# Altium PCB Main_PCB.PcbDoc (part 9 of 13)
Units mil, origin at the board's own origin, x right, y up, seen from the top; angles counter-clockwise.
Board outline 5200 x 6000 mil, 12 copper layers (Top (L1), Int1 (l2), Int2 (L3), Int3 (L4), Int4 (L5), Int5 (L6), Int6 (L7), Int7 (L8), Int8 (L9), Int9 (L10), Int10 (L11), Bot (L12)), stack 94.81 mil thick; 88 components, 424 nets, 1789 pads, 1684 vias.
Unrouted connection lines stored in the file: 914.
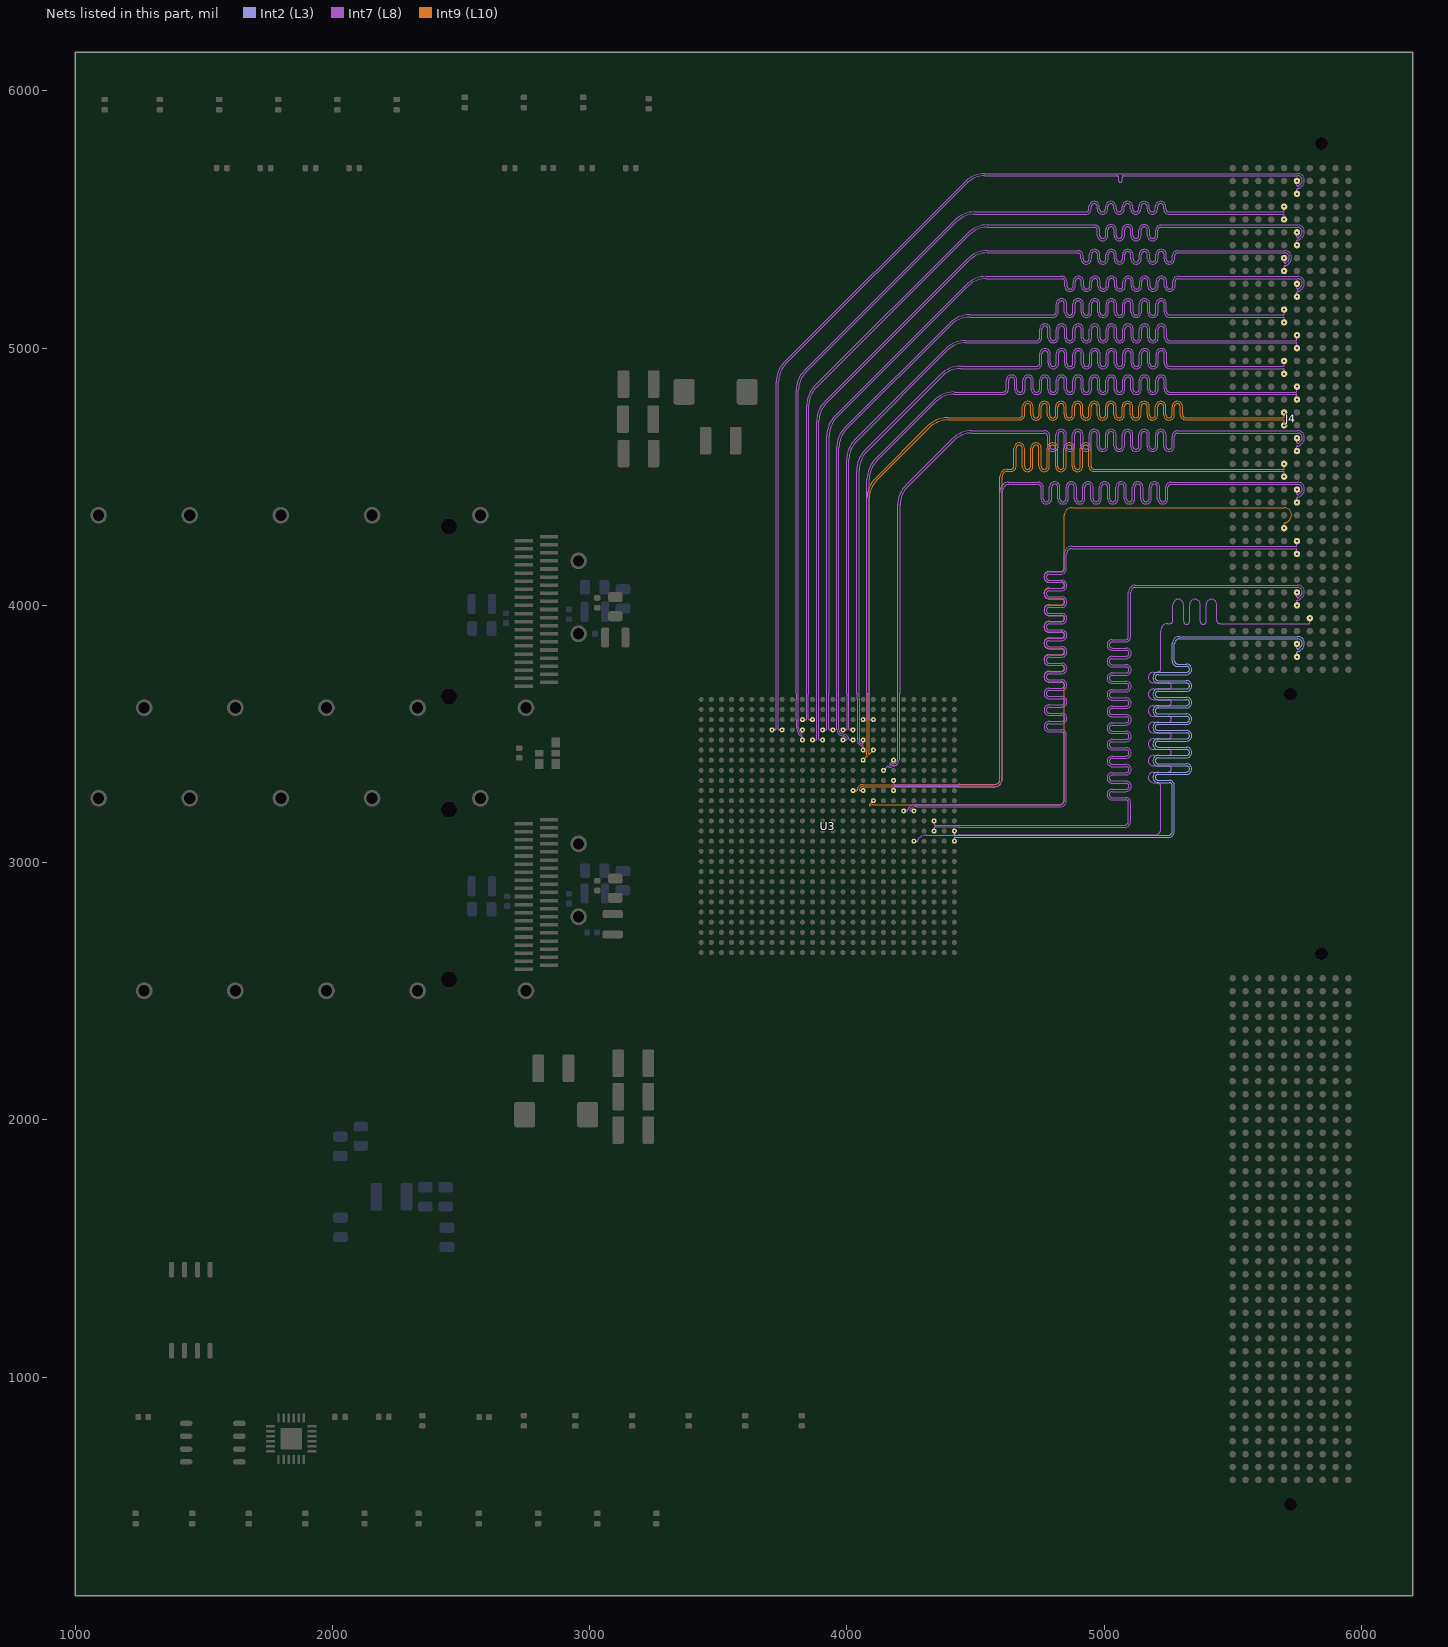
[diagram p19: the nets of this part, all layers, seen from the top]

## Via types
v1: diameter 13.78, hole 7.87, Top (L1) to Bot (L12), tented both sides, 1680 vias
v2: diameter 19.68, hole 7.87, Top (L1) to Bot (L12), tented both sides, 4 vias

## Nets (pads, with @x,y where several pads share a name; then routed paths per layer and width w, separated by ;. In a path a pad name is that pad's centre, name@x,y a point inside that pad or via, vN(x,y) a via of type N, cw(c..) or ccw(c..) an arc to the next point about the centre after c; other vN are vias at no path point) (continued)
HPCC_B_24_P: J4.D36 U3.R22 | length 3855.3
  Int7 (L8) w3.5: v1(4260.63,3083.07) 4273.06,3083.07 ccw(c4273.06,3086.57) 4275.54,3084.1 ccw(c4273.06,3086.57) 4276.56,3086.57 ; 4276.57,3086.61 cw(c4287.47,3086.61) 4279.76,3094.32 4279.84,3094.4 cw(c4309.04,3065.2) 4309.04,3106.5 4435,3106.5 cw(c4438.14,3103.36) 4438.14,3107.8 5200,3107.8 ccw(c5200,3126.63) 5213.32,3113.32 5215,3115 ccw(c5202.93,3127.07) 5220,3127.07 5220,3293 5220,3299.15 ccw(c5208.25,3299.15) 5208.25,3310.9 5191.99,3310.9 cw(c5191.99,3331.45) 5191.99,3352 5250.12,3352 ccw(c5250.12,3363.75) 5250.12,3375.5 5191.99,3375.5 cw(c5191.99,3396.05) 5191.99,3416.6 5250.12,3416.6 ccw(c5250.12,3428.35) 5250.12,3440.1 5191.99,3440.1 cw(c5191.99,3460.65) 5191.99,3481.2 5250.12,3481.2 ccw(c5250.12,3492.95) 5250.12,3504.7 5191.99,3504.7 cw(c5191.99,3525.25) 5191.99,3545.8 5250.12,3545.8 ccw(c5250.12,3557.55) 5250.12,3569.3 5191.99,3569.3 cw(c5191.99,3589.85) 5191.99,3610.4 5250.12,3610.4 ccw(c5250.12,3622.15) 5250.12,3633.9 5191.99,3633.9 cw(c5191.99,3654.45) 5191.99,3675 5250.12,3675 ccw(c5250.12,3686.75) 5250.12,3698.5 5191.99,3698.5 cw(c5191.99,3719.05) 5191.99,3739.6 5208.25,3739.6 ccw(c5208.25,3751.35) 5220,3751.35 5220,3783 5220,3900.03 cw(c5249.97,3900.03) 5228.78,3921.22 cw(c5248.52,3901.48) 5248.52,3929.4 5250,3929.4 5256.15,3929.4 ccw(c5256.15,3941.15) 5267.9,3941.15 5267.9,4003.04 cw(c5288.45,4003.04) 5309,4003.04 5309,3937.37 ccw(c5320.75,3937.37) 5332.5,3937.37 5332.5,4003.04 cw(c5353.05,4003.04) 5373.6,4003.04 5373.6,3937.37 ccw(c5385.35,3937.37) 5397.1,3937.37 5397.1,4003.04 cw(c5417.65,4003.04) 5438.2,4003.04 5438.2,3941.15 ccw(c5449.95,3941.15) 5449.95,3929.4 5474.84,3929.4 5796.5,3929.4 ccw(c5796.5,3932.9) 5798.97,3930.43 ccw(c5796.5,3932.9) 5800,3932.9 v1(5800,3950)
HPCC_B_25_N: J4.E3 U3.D8 | length 3854.4
  Int7 (L8) w3.5: v1(3709.45,3516.14) 3721.88,3516.14 ccw(c3721.88,3519.64) 3724.36,3517.17 ccw(c3721.88,3519.64) 3725.38,3519.64 3725.38,4867.76 cw(c3834.18,4867.76) 3757.25,4944.7 4459.49,5646.93 cw(c4536.42,5570) 4536.42,5678.8 4690,5678.8 4826.66,5678.8 5752.93,5678.8 cw(c5752.93,5652.93) 5771.22,5671.22 cw(c5752.93,5652.93) 5778.8,5652.93 5778.8,5650 cw(c5754.66,5650) 5771.73,5632.93 5763.56,5624.76 cw(c5753.5,5634.84) 5753.5,5620.6 ccw(c5753.5,5617.1) 5751.03,5619.57 ccw(c5753.5,5617.1) 5750,5617.1 v1(5750,5600)
HPCC_B_25_P: J4.E2 U3.D9 | length 3853.3
  Int7 (L8) w3.5: v1(3748.82,3516.14) 3736.38,3516.14 cw(c3736.38,3519.64) 3733.91,3517.17 cw(c3736.38,3519.64) 3732.88,3519.64 3732.88,3655 ccw(c3729.75,3658.14) 3734.18,3658.14 3734.18,4867.76 cw(c3834.18,4867.76) 3763.47,4938.47 4465.71,5640.71 cw(c4536.42,5570) 4536.42,5670 5034.75,5670 5050,5670 cw(c5050,5663.25) 5056.75,5663.25 5056.75,5650.98 ccw(c5063.5,5650.98) 5070.25,5650.98 5070.25,5663.25 cw(c5077,5663.25) 5077,5670 5089,5670 5752.93,5670 cw(c5752.93,5652.93) 5765,5665 cw(c5752.93,5652.93) 5770,5652.93 5770,5650 cw(c5754.66,5650) 5765.51,5639.15 5757.34,5630.99 cw(c5753.5,5634.84) 5753.5,5629.4 cw(c5753.5,5632.9) 5751.03,5630.43 cw(c5753.5,5632.9) 5750,5632.9 v1(5750,5650)
HPCC_B_26_N: J4.E7 U3.C11 | length 3877.2
  Int7 (L8) w3.5: v1(3827.56,3555.51) 3839.99,3555.51 ccw(c3839.99,3559.01) 3842.47,3556.54 ccw(c3839.99,3559.01) 3843.49,3559.01 3843.49,4775.87 cw(c3952.29,4775.87) 3875.36,4852.81 4469.49,5446.93 cw(c4546.42,5370) 4546.42,5478.8 4924,5478.8 4962.45,5478.8 cw(c4962.45,5458.25) 4983,5458.25 4983,5438.18 ccw(c4994.75,5438.18) 5006.5,5438.18 5006.5,5459.72 cw(c5027.05,5459.72) 5047.6,5459.72 5047.6,5438.18 ccw(c5059.35,5438.18) 5071.1,5438.18 5071.1,5459.72 cw(c5091.65,5459.72) 5112.2,5459.72 5112.2,5438.18 ccw(c5123.95,5438.18) 5135.7,5438.18 5135.7,5459.72 cw(c5156.25,5459.72) 5176.8,5459.72 5176.8,5438.18 ccw(c5188.55,5438.18) 5200.3,5438.18 5200.3,5458.25 cw(c5220.85,5458.25) 5220.85,5478.8 5288,5478.8 5752.93,5478.8 cw(c5752.93,5452.93) 5771.22,5471.22 cw(c5752.93,5452.93) 5778.8,5452.93 5778.8,5450 cw(c5754.66,5450) 5771.73,5432.93 5763.56,5424.76 cw(c5753.5,5434.84) 5753.5,5420.6 ccw(c5753.5,5417.1) 5751.03,5419.57 ccw(c5753.5,5417.1) 5750,5417.1 v1(5750,5400)
HPCC_B_26_P: J4.E6 U3.C12 | length 3836.1
  Int7 (L8) w3.5: v1(3866.93,3555.51) 3854.49,3555.51 cw(c3854.49,3559.01) 3852.02,3556.54 cw(c3854.49,3559.01) 3850.99,3559.01 3850.99,3655 ccw(c3847.86,3658.14) 3852.29,3658.14 3852.29,4775.87 cw(c3952.29,4775.87) 3881.58,4846.58 4475.71,5440.71 cw(c4546.42,5370) 4546.42,5470 4924,5470 4962.45,5470 cw(c4962.45,5458.25) 4974.2,5458.25 4974.2,5438.18 ccw(c4994.75,5438.18) 5015.3,5438.18 5015.3,5459.72 cw(c5027.05,5459.72) 5038.8,5459.72 5038.8,5438.18 ccw(c5059.35,5438.18) 5079.9,5438.18 5079.9,5459.72 cw(c5091.65,5459.72) 5103.4,5459.72 5103.4,5438.18 ccw(c5123.95,5438.18) 5144.5,5438.18 5144.5,5459.72 cw(c5156.25,5459.72) 5168,5459.72 5168,5438.18 ccw(c5188.55,5438.18) 5209.1,5438.18 5209.1,5458.25 cw(c5220.85,5458.25) 5220.85,5470 5288,5470 5752.93,5470 cw(c5752.93,5452.93) 5765,5465 cw(c5752.93,5452.93) 5770,5452.93 5770,5450 cw(c5754.66,5450) 5765.51,5439.15 5757.34,5430.99 cw(c5753.5,5434.84) 5753.5,5429.4 cw(c5753.5,5432.9) 5751.03,5430.43 cw(c5753.5,5432.9) 5750,5432.9 v1(5750,5450)
HPCC_B_27_N: J4.E11 U3.D13 | length 3873.5
  Int7 (L8) w3.5: v1(3906.3,3516.14) 3918.73,3516.14 ccw(c3918.73,3519.64) 3921.21,3517.17 ccw(c3918.73,3519.64) 3922.23,3519.64 3922.23,4659.61 cw(c4031.03,4659.61) 3954.1,4736.55 4464.49,5246.93 cw(c4541.42,5170) 4541.42,5278.8 4797,5278.8 4835.45,5278.8 cw(c4835.45,5258.25) 4856,5258.25 4856,5241.31 ccw(c4867.75,5241.31) 4879.5,5241.31 4879.5,5258.94 cw(c4900.05,5258.94) 4920.6,5258.94 4920.6,5241.31 ccw(c4932.35,5241.31) 4944.1,5241.31 4944.1,5258.94 cw(c4964.65,5258.94) 4985.2,5258.94 4985.2,5241.31 ccw(c4996.95,5241.31) 5008.7,5241.31 5008.7,5258.94 cw(c5029.25,5258.94) 5049.8,5258.94 5049.8,5241.31 ccw(c5061.55,5241.31) 5073.3,5241.31 5073.3,5258.94 cw(c5093.85,5258.94) 5114.4,5258.94 5114.4,5241.31 ccw(c5126.15,5241.31) 5137.9,5241.31 5137.9,5258.94 cw(c5158.45,5258.94) 5179,5258.94 5179,5241.31 ccw(c5190.75,5241.31) 5202.5,5241.31 5202.5,5258.94 cw(c5223.05,5258.94) 5243.6,5258.94 5243.6,5241.31 ccw(c5255.35,5241.31) 5267.1,5241.31 5267.1,5258.25 cw(c5287.65,5258.25) 5287.65,5278.8 5343,5278.8 5752.93,5278.8 cw(c5752.93,5252.93) 5771.22,5271.22 cw(c5752.93,5252.93) 5778.8,5252.93 5778.8,5250 cw(c5754.66,5250) 5771.73,5232.93 5763.56,5224.76 cw(c5753.5,5234.84) 5753.5,5220.6 ccw(c5753.5,5217.1) 5751.03,5219.57 ccw(c5753.5,5217.1) 5750,5217.1 v1(5750,5200)
HPCC_B_27_P: J4.E10 U3.D14 | length 3832.4
  Int7 (L8) w3.5: v1(3945.67,3516.14) 3933.23,3516.14 cw(c3933.23,3519.64) 3930.76,3517.17 cw(c3933.23,3519.64) 3929.73,3519.64 3929.73,3655 ccw(c3926.6,3658.14) 3931.03,3658.14 3931.03,4659.61 cw(c4031.03,4659.61) 3960.32,4730.32 4470.71,5240.71 cw(c4541.42,5170) 4541.42,5270 4797,5270 4835.45,5270 cw(c4835.45,5258.25) 4847.2,5258.25 4847.2,5241.31 ccw(c4867.75,5241.31) 4888.3,5241.31 4888.3,5258.94 cw(c4900.05,5258.94) 4911.8,5258.94 4911.8,5241.31 ccw(c4932.35,5241.31) 4952.9,5241.31 4952.9,5258.94 cw(c4964.65,5258.94) 4976.4,5258.94 4976.4,5241.31 ccw(c4996.95,5241.31) 5017.5,5241.31 5017.5,5258.94 cw(c5029.25,5258.94) 5041,5258.94 5041,5241.31 ccw(c5061.55,5241.31) 5082.1,5241.31 5082.1,5258.94 cw(c5093.85,5258.94) 5105.6,5258.94 5105.6,5241.31 ccw(c5126.15,5241.31) 5146.7,5241.31 5146.7,5258.94 cw(c5158.45,5258.94) 5170.2,5258.94 5170.2,5241.31 ccw(c5190.75,5241.31) 5211.3,5241.31 5211.3,5258.94 cw(c5223.05,5258.94) 5234.8,5258.94 5234.8,5241.31 ccw(c5255.35,5241.31) 5275.9,5241.31 5275.9,5258.25 cw(c5287.65,5258.25) 5287.65,5270 5343,5270 5752.93,5270 cw(c5752.93,5252.93) 5765,5265 cw(c5752.93,5252.93) 5770,5252.93 5770,5250 cw(c5754.66,5250) 5765.51,5239.15 5757.34,5230.99 cw(c5753.5,5234.84) 5753.5,5229.4 cw(c5753.5,5232.9) 5751.03,5230.43 cw(c5753.5,5232.9) 5750,5232.9 v1(5750,5250)
HPCC_B_28_N: J4.E15 U3.D16 | length 3843.6
  Int7 (L8) w3.5: v1(4024.41,3516.14) 4011.97,3516.14 cw(c4011.97,3519.64) 4009.5,3517.17 cw(c4011.97,3519.64) 4008.47,3519.64 4008.47,4567.05 cw(c4108.47,4567.05) 4037.76,4637.76 4391.31,4991.31 cw(c4462.02,4920.6) 4462.02,5020.6 4731.64,5020.6 4737.79,5020.6 ccw(c4737.79,5041.15) 4758.34,5041.15 4758.34,5073.41 cw(c4770.09,5073.41) 4781.84,5073.41 4781.84,5040.94 ccw(c4802.39,5040.94) 4822.94,5040.94 4822.94,5073.41 cw(c4834.69,5073.41) 4846.44,5073.41 4846.44,5040.94 ccw(c4866.99,5040.94) 4887.54,5040.94 4887.54,5073.41 cw(c4899.29,5073.41) 4911.04,5073.41 4911.04,5040.94 ccw(c4931.59,5040.94) 4952.14,5040.94 4952.14,5073.41 cw(c4963.89,5073.41) 4975.64,5073.41 4975.64,5040.94 ccw(c4996.19,5040.94) 5016.74,5040.94 5016.74,5073.41 cw(c5028.49,5073.41) 5040.24,5073.41 5040.24,5040.94 ccw(c5060.79,5040.94) 5081.34,5040.94 5081.34,5073.41 cw(c5093.09,5073.41) 5104.84,5073.41 5104.84,5040.94 ccw(c5125.39,5040.94) 5145.94,5040.94 5145.94,5073.41 cw(c5157.69,5073.41) 5169.44,5073.41 5169.44,5040.94 ccw(c5189.99,5040.94) 5210.54,5040.94 5210.54,5073.41 cw(c5222.29,5073.41) 5234.04,5073.41 5234.04,5041.15 ccw(c5254.59,5041.15) 5254.59,5020.6 5310,5020.6 5746.5,5020.6 cw(c5746.5,5017.1) 5748.97,5019.57 cw(c5746.5,5017.1) 5750,5017.1 v1(5750,5000)
HPCC_B_28_P: J4.E14 U3.D15 | length 3857.8
  Int7 (L8) w3.5: v1(3985.04,3516.14) 3997.47,3516.14 ccw(c3997.47,3519.64) 3999.95,3517.17 ccw(c3997.47,3519.64) 4000.97,3519.64 4000.97,3655 cw(c4004.11,3658.14) 3999.67,3658.14 3999.67,4567.05 cw(c4108.47,4567.05) 4031.54,4643.99 4385.09,4997.53 cw(c4462.02,4920.6) 4462.02,5029.4 4731.64,5029.4 4737.79,5029.4 ccw(c4737.79,5041.15) 4749.54,5041.15 4749.54,5073.41 cw(c4770.09,5073.41) 4790.64,5073.41 4790.64,5040.94 ccw(c4802.39,5040.94) 4814.14,5040.94 4814.14,5073.41 cw(c4834.69,5073.41) 4855.24,5073.41 4855.24,5040.94 ccw(c4866.99,5040.94) 4878.74,5040.94 4878.74,5073.41 cw(c4899.29,5073.41) 4919.84,5073.41 4919.84,5040.94 ccw(c4931.59,5040.94) 4943.34,5040.94 4943.34,5073.41 cw(c4963.89,5073.41) 4984.44,5073.41 4984.44,5040.94 ccw(c4996.19,5040.94) 5007.94,5040.94 5007.94,5073.41 cw(c5028.49,5073.41) 5049.04,5073.41 5049.04,5040.94 ccw(c5060.79,5040.94) 5072.54,5040.94 5072.54,5073.41 cw(c5093.09,5073.41) 5113.64,5073.41 5113.64,5040.94 ccw(c5125.39,5040.94) 5137.14,5040.94 5137.14,5073.41 cw(c5157.69,5073.41) 5178.24,5073.41 5178.24,5040.94 ccw(c5189.99,5040.94) 5201.74,5040.94 5201.74,5073.41 cw(c5222.29,5073.41) 5242.84,5073.41 5242.84,5041.15 ccw(c5254.59,5041.15) 5254.59,5029.4 5310,5029.4 5746.5,5029.4 ccw(c5746.5,5032.9) 5748.97,5030.43 ccw(c5746.5,5032.9) 5750,5032.9 v1(5750,5050)
HPCC_B_29_N: J4.E19 U3.C18 | length 3842.1
  Int7 (L8) w3.5: v1(4103.15,3555.51) 4090.71,3555.51 cw(c4090.71,3559.01) 4088.24,3556.54 cw(c4090.71,3559.01) 4087.21,3559.01 4087.21,4490.79 cw(c4187.21,4490.79) 4116.5,4561.5 4346.31,4791.31 cw(c4417.02,4720.6) 4417.02,4820.6 4602,4820.6 4608.15,4820.6 ccw(c4608.15,4841.15) 4628.7,4841.15 4628.7,4874.93 cw(c4640.45,4874.93) 4652.2,4874.93 4652.2,4840.38 ccw(c4672.75,4840.38) 4693.3,4840.38 4693.3,4874.93 cw(c4705.05,4874.93) 4716.8,4874.93 4716.8,4840.38 ccw(c4737.35,4840.38) 4757.9,4840.38 4757.9,4874.93 cw(c4769.65,4874.93) 4781.4,4874.93 4781.4,4840.38 ccw(c4801.95,4840.38) 4822.5,4840.38 4822.5,4874.93 cw(c4834.25,4874.93) 4846,4874.93 4846,4840.38 ccw(c4866.55,4840.38) 4887.1,4840.38 4887.1,4874.93 cw(c4898.85,4874.93) 4910.6,4874.93 4910.6,4840.38 ccw(c4931.15,4840.38) 4951.7,4840.38 4951.7,4874.93 cw(c4963.45,4874.93) 4975.2,4874.93 4975.2,4840.38 ccw(c4995.75,4840.38) 5016.3,4840.38 5016.3,4874.93 cw(c5028.05,4874.93) 5039.8,4874.93 5039.8,4840.38 ccw(c5060.35,4840.38) 5080.9,4840.38 5080.9,4874.93 cw(c5092.65,4874.93) 5104.4,4874.93 5104.4,4840.38 ccw(c5124.95,4840.38) 5145.5,4840.38 5145.5,4874.93 cw(c5157.25,4874.93) 5169,4874.93 5169,4840.38 ccw(c5189.55,4840.38) 5210.1,4840.38 5210.1,4874.93 cw(c5221.85,4874.93) 5233.6,4874.93 5233.6,4841.15 ccw(c5254.15,4841.15) 5254.15,4820.6 5278.12,4820.6 5746.5,4820.6 cw(c5746.5,4817.1) 5748.97,4819.57 cw(c5746.5,4817.1) 5750,4817.1 v1(5750,4800)
HPCC_B_29_P: J4.E18 U3.C17 | length 3856.3
  Int7 (L8) w3.5: v1(4063.78,3555.51) 4076.21,3555.51 ccw(c4076.21,3559.01) 4078.69,3556.54 ccw(c4076.21,3559.01) 4079.71,3559.01 4079.71,3655 cw(c4082.85,3658.14) 4078.41,3658.14 4078.41,4490.79 cw(c4187.21,4490.79) 4110.28,4567.73 4340.09,4797.53 cw(c4417.02,4720.6) 4417.02,4829.4 4602,4829.4 4608.15,4829.4 ccw(c4608.15,4841.15) 4619.9,4841.15 4619.9,4874.93 cw(c4640.45,4874.93) 4661,4874.93 4661,4840.38 ccw(c4672.75,4840.38) 4684.5,4840.38 4684.5,4874.93 cw(c4705.05,4874.93) 4725.6,4874.93 4725.6,4840.38 ccw(c4737.35,4840.38) 4749.1,4840.38 4749.1,4874.93 cw(c4769.65,4874.93) 4790.2,4874.93 4790.2,4840.38 ccw(c4801.95,4840.38) 4813.7,4840.38 4813.7,4874.93 cw(c4834.25,4874.93) 4854.8,4874.93 4854.8,4840.38 ccw(c4866.55,4840.38) 4878.3,4840.38 4878.3,4874.93 cw(c4898.85,4874.93) 4919.4,4874.93 4919.4,4840.38 ccw(c4931.15,4840.38) 4942.9,4840.38 4942.9,4874.93 cw(c4963.45,4874.93) 4984,4874.93 4984,4840.38 ccw(c4995.75,4840.38) 5007.5,4840.38 5007.5,4874.93 cw(c5028.05,4874.93) 5048.6,4874.93 5048.6,4840.38 ccw(c5060.35,4840.38) 5072.1,4840.38 5072.1,4874.93 cw(c5092.65,4874.93) 5113.2,4874.93 5113.2,4840.38 ccw(c5124.95,4840.38) 5136.7,4840.38 5136.7,4874.93 cw(c5157.25,4874.93) 5177.8,4874.93 5177.8,4840.38 ccw(c5189.55,4840.38) 5201.3,4840.38 5201.3,4874.93 cw(c5221.85,4874.93) 5242.4,4874.93 5242.4,4841.15 ccw(c5254.15,4841.15) 5254.15,4829.4 5278.12,4829.4 5746.5,4829.4 ccw(c5746.5,4832.9) 5748.97,4830.43 ccw(c5746.5,4832.9) 5750,4832.9 v1(5750,4850)
HPCC_B_30_N: J4.E23 U3.G20 | length 3856.3
  Int7 (L8) w3.5: v1(4181.89,3398.03) 4167.33,3383.47 ccw(c4169.81,3381) 4166.31,3381 ccw(c4169.81,3381) 4167.33,3378.52 ccw(c4168.58,3381.79) 4170.27,3378.73 cw(c4181.78,3367.22) 4181.78,3383.5 4182,3383.5 ccw(c4182,3391.95) 4187.97,3385.97 4193.05,3391.05 ccw(c4181.1,3403) 4198,3403 4198,4390.38 cw(c4306.8,4390.38) 4229.87,4467.31 4409.49,4646.93 cw(c4486.42,4570) 4486.42,4678.8 4730,4678.8 4768.45,4678.8 cw(c4768.45,4658.25) 4789,4658.25 4789,4618.87 ccw(c4800.75,4618.87) 4812.5,4618.87 4812.5,4663.63 cw(c4833.05,4663.63) 4853.6,4663.63 4853.6,4618.87 ccw(c4865.35,4618.87) 4877.1,4618.87 4877.1,4663.63 cw(c4897.65,4663.63) 4918.2,4663.63 4918.2,4618.87 ccw(c4929.95,4618.87) 4941.7,4618.87 4941.7,4663.63 cw(c4962.25,4663.63) 4982.8,4663.63 4982.8,4618.87 ccw(c4994.55,4618.87) 5006.3,4618.87 5006.3,4663.63 cw(c5026.85,4663.63) 5047.4,4663.63 5047.4,4618.87 ccw(c5059.15,4618.87) 5070.9,4618.87 5070.9,4663.63 cw(c5091.45,4663.63) 5112,4663.63 5112,4618.87 ccw(c5123.75,4618.87) 5135.5,4618.87 5135.5,4663.63 cw(c5156.05,4663.63) 5176.6,4663.63 5176.6,4618.87 ccw(c5188.35,4618.87) 5200.1,4618.87 5200.1,4663.63 cw(c5220.65,4663.63) 5241.2,4663.63 5241.2,4618.87 ccw(c5252.95,4618.87) 5264.7,4618.87 5264.7,4658.25 cw(c5285.25,4658.25) 5285.25,4678.8 5313.09,4678.8 5752.93,4678.8 cw(c5752.93,4652.93) 5771.22,4671.22 cw(c5752.93,4652.93) 5778.8,4652.93 5778.8,4650 cw(c5754.66,4650) 5771.73,4632.93 5763.56,4624.76 cw(c5753.5,4634.84) 5753.5,4620.6 ccw(c5753.5,4617.1) 5751.03,4619.57 ccw(c5753.5,4617.1) 5750,4617.1 v1(5750,4600)
HPCC_B_30_P: J4.E22 U3.H19 | length 3833.4
  Int7 (L8) w3.5: v1(4142.52,3358.66) 4157.08,3373.22 cw(c4159.55,3370.75) 4159.55,3374.24 cw(c4159.55,3370.74) 4162.03,3373.22 ccw(c4169.77,3380.92) 4169.77,3370 4170.51,3370.32 ccw(c4169.12,3373.53) 4170.83,3370.47 ; 4170.83,3370.47 4173.88,3372.16 4174.87,3372.82 ccw(c4172.92,3375.73) 4175.42,3373.27 cw(c4182,3366.69) 4182,3376 ; 4182.04,3376 ccw(c4182.04,3391.86) 4193.25,3380.64 4198.39,3385.78 ccw(c4181.22,3402.95) 4205.5,3402.95 4205.5,3655 ccw(c4202.36,3658.14) 4206.8,3658.14 4206.8,4390.38 cw(c4306.8,4390.38) 4236.09,4461.09 4415.71,4640.71 cw(c4486.42,4570) 4486.42,4670 4730,4670 4768.45,4670 cw(c4768.45,4658.25) 4780.2,4658.25 4780.2,4618.87 ccw(c4800.75,4618.87) 4821.3,4618.87 4821.3,4663.63 cw(c4833.05,4663.63) 4844.8,4663.63 4844.8,4618.87 ccw(c4865.35,4618.87) 4885.9,4618.87 4885.9,4663.63 cw(c4897.65,4663.63) 4909.4,4663.63 4909.4,4618.87 ccw(c4929.95,4618.87) 4950.5,4618.87 4950.5,4663.63 cw(c4962.25,4663.63) 4974,4663.63 4974,4618.87 ccw(c4994.55,4618.87) 5015.1,4618.87 5015.1,4663.63 cw(c5026.85,4663.63) 5038.6,4663.63 5038.6,4618.87 ccw(c5059.15,4618.87) 5079.7,4618.87 5079.7,4663.63 cw(c5091.45,4663.63) 5103.2,4663.63 5103.2,4618.87 ccw(c5123.75,4618.87) 5144.3,4618.87 5144.3,4663.63 cw(c5156.05,4663.63) 5167.8,4663.63 5167.8,4618.87 ccw(c5188.35,4618.87) 5208.9,4618.87 5208.9,4663.63 cw(c5220.65,4663.63) 5232.4,4663.63 5232.4,4618.87 ccw(c5252.95,4618.87) 5273.5,4618.87 5273.5,4658.25 cw(c5285.25,4658.25) 5285.25,4670 5313.09,4670 5752.93,4670 cw(c5752.93,4652.93) 5765,4665 cw(c5752.93,4652.93) 5770,4652.93 5770,4650 cw(c5754.66,4650) 5765.51,4639.15 5757.34,4630.99 cw(c5753.5,4634.84) 5753.5,4629.4 cw(c5753.5,4632.9) 5751.03,4630.43 cw(c5753.5,4632.9) 5750,4632.9 v1(5750,4650)
HPCC_B_31_N: J4.E27 U3.J20 | length 3863
  Int7 (L8) w3.5: v1(4181.89,3319.29) 4181.89,3306.86 ccw(c4185.39,3306.86) 4182.91,3304.38 ccw(c4185.39,3306.86) 4185.39,3303.36 4573.96,3303.36 ccw(c4573.96,3326.04) 4590,3310 ccw(c4577.93,3322.07) 4595,3322.07 4595,4440 cw(c4637.12,4440) 4607.34,4469.78 4608.78,4471.22 ; 4608.78,4471.23 cw(c4627.07,4452.93) 4627.07,4478.8 4705,4478.8 4743.45,4478.8 cw(c4743.45,4458.25) 4764,4458.25 4764,4414.57 ccw(c4775.75,4414.57) 4787.5,4414.57 4787.5,4459.98 cw(c4808.05,4459.98) 4828.6,4459.98 4828.6,4414.57 ccw(c4840.35,4414.57) 4852.1,4414.57 4852.1,4459.98 cw(c4872.65,4459.98) 4893.2,4459.98 4893.2,4414.57 ccw(c4904.95,4414.57) 4916.7,4414.57 4916.7,4459.98 cw(c4937.25,4459.98) 4957.8,4459.98 4957.8,4414.57 ccw(c4969.55,4414.57) 4981.3,4414.57 4981.3,4459.98 cw(c5001.85,4459.98) 5022.4,4459.98 5022.4,4414.57 ccw(c5034.15,4414.57) 5045.9,4414.57 5045.9,4459.98 cw(c5066.45,4459.98) 5087,4459.98 5087,4414.57 ccw(c5098.75,4414.57) 5110.5,4414.57 5110.5,4459.98 cw(c5131.05,4459.98) 5151.6,4459.98 5151.6,4414.57 ccw(c5163.35,4414.57) 5175.1,4414.57 5175.1,4459.98 cw(c5195.65,4459.98) 5216.2,4459.98 5216.2,4414.57 ccw(c5227.95,4414.57) 5239.7,4414.57 5239.7,4458.25 cw(c5260.25,4458.25) 5260.25,4478.8 5284.68,4478.8 5752.93,4478.8 cw(c5752.93,4452.93) 5771.22,4471.22 cw(c5752.93,4452.93) 5778.8,4452.93 5778.8,4450 cw(c5754.66,4450) 5771.73,4432.93 5763.56,4424.76 cw(c5753.5,4434.84) 5753.5,4420.6 ccw(c5753.5,4417.1) 5751.03,4419.57 ccw(c5753.5,4417.1) 5750,4417.1 v1(5750,4400)
HPCC_B_31_P: J4.E26 U3.K20 | length 3835.7
  Int7 (L8) w3.5: v1(4181.89,3279.92) 4181.89,3292.36 cw(c4185.39,3292.36) 4182.91,3294.83 cw(c4185.39,3292.36) 4185.39,3295.86 4435,3295.86 ccw(c4438.14,3298.99) 4438.14,3294.56 4573.96,3294.56 ccw(c4573.96,3326.04) 4596.22,3303.78 ccw(c4577.93,3322.07) 4603.8,3322.07 4603.8,4440 cw(c4637.12,4440) 4613.56,4463.56 4615,4465 cw(c4627.07,4452.93) 4627.07,4470 4705,4470 4743.45,4470 cw(c4743.45,4458.25) 4755.2,4458.25 4755.2,4414.57 ccw(c4775.75,4414.57) 4796.3,4414.57 4796.3,4459.98 cw(c4808.05,4459.98) 4819.8,4459.98 4819.8,4414.57 ccw(c4840.35,4414.57) 4860.9,4414.57 4860.9,4459.98 cw(c4872.65,4459.98) 4884.4,4459.98 4884.4,4414.57 ccw(c4904.95,4414.57) 4925.5,4414.57 4925.5,4459.98 cw(c4937.25,4459.98) 4949,4459.98 4949,4414.57 ccw(c4969.55,4414.57) 4990.1,4414.57 4990.1,4459.98 cw(c5001.85,4459.98) 5013.6,4459.98 5013.6,4414.57 ccw(c5034.15,4414.57) 5054.7,4414.57 5054.7,4459.98 cw(c5066.45,4459.98) 5078.2,4459.98 5078.2,4414.57 ccw(c5098.75,4414.57) 5119.3,4414.57 5119.3,4459.98 cw(c5131.05,4459.98) 5142.8,4459.98 5142.8,4414.57 ccw(c5163.35,4414.57) 5183.9,4414.57 5183.9,4459.98 cw(c5195.65,4459.98) 5207.4,4459.98 5207.4,4414.57 ccw(c5227.95,4414.57) 5248.5,4414.57 5248.5,4458.25 cw(c5260.25,4458.25) 5260.25,4470 5284.68,4470 5752.93,4470 cw(c5752.93,4452.93) 5765,4465 cw(c5752.93,4452.93) 5770,4452.93 5770,4450 cw(c5754.66,4450) 5765.51,4439.15 5757.34,4430.99 cw(c5753.5,4434.84) 5753.5,4429.4 cw(c5753.5,4432.9) 5751.03,4430.43 cw(c5753.5,4432.9) 5750,4432.9 v1(5750,4450)
HPCC_B_32_N: J4.E31 U3.M22 | length 3848.7
  Int7 (L8) w3.5: v1(4260.63,3201.18) 4248.19,3201.18 cw(c4248.19,3204.68) 4245.72,3202.21 cw(c4248.19,3204.68) 4244.7,3204.68 cw(c4248.19,3204.68) 4245.72,3207.16 cw(c4269.49,3183.39) 4269.49,3217 4829.86,3217 ccw(c4829.86,3240.14) 4846.22,3223.78 ccw(c4827.93,3242.07) 4853.8,3242.07 4853.8,3490 4853.8,3496.15 ccw(c4833.25,3496.15) 4833.25,3516.7 4787.32,3516.7 cw(c4787.32,3528.45) 4787.32,3540.2 4834.93,3540.2 ccw(c4834.93,3560.75) 4834.93,3581.3 4787.32,3581.3 cw(c4787.32,3593.05) 4787.32,3604.8 4834.93,3604.8 ccw(c4834.93,3625.35) 4834.93,3645.9 4787.32,3645.9 cw(c4787.32,3657.65) 4787.32,3669.4 4834.93,3669.4 ccw(c4834.93,3689.95) 4834.93,3710.5 4787.32,3710.5 cw(c4787.32,3722.25) 4787.32,3734 4834.93,3734 ccw(c4834.93,3754.55) 4834.93,3775.1 4787.32,3775.1 cw(c4787.32,3786.85) 4787.32,3798.6 4834.93,3798.6 ccw(c4834.93,3819.15) 4834.93,3839.7 4787.32,3839.7 cw(c4787.32,3851.45) 4787.32,3863.2 4834.93,3863.2 ccw(c4834.93,3883.75) 4834.93,3904.3 4787.32,3904.3 cw(c4787.32,3916.05) 4787.32,3927.8 4834.93,3927.8 ccw(c4834.93,3948.35) 4834.93,3968.9 4787.32,3968.9 cw(c4787.32,3980.65) 4787.32,3992.4 4834.93,3992.4 ccw(c4834.93,4012.95) 4834.93,4033.5 4787.32,4033.5 cw(c4787.32,4045.25) 4787.32,4057 4834.93,4057 ccw(c4834.93,4077.55) 4834.93,4098.1 4787.32,4098.1 cw(c4787.32,4109.85) 4787.32,4121.6 4833.25,4121.6 ccw(c4833.25,4142.15) 4853.8,4142.15 4853.8,4170 4853.8,4200.03 cw(c4874.97,4200.03) 4860,4215 cw(c4873.52,4201.48) 4873.52,4220.6 5746.5,4220.6 cw(c5746.5,4217.1) 5748.97,4219.57 cw(c5746.5,4217.1) 5750,4217.1 v1(5750,4200)